# Altium PCB nova34.PcbDoc (part 4 of 4)
Units mm, origin at the board's own origin, x right, y up, seen from the top; angles counter-clockwise.
Board outline 34.12 x 31.07 mm, 8 copper layers (Top Layer, Int1 (Sign), Int2 (GND), Int3 (Sign), Int4 (Sign), Int5 (PWR), Int6 (Sign), Bottom Layer), stack 1.535 mm thick; 261 components, 284 nets, 1188 pads, 341 vias.
Unrouted connection lines stored in the file: 171.
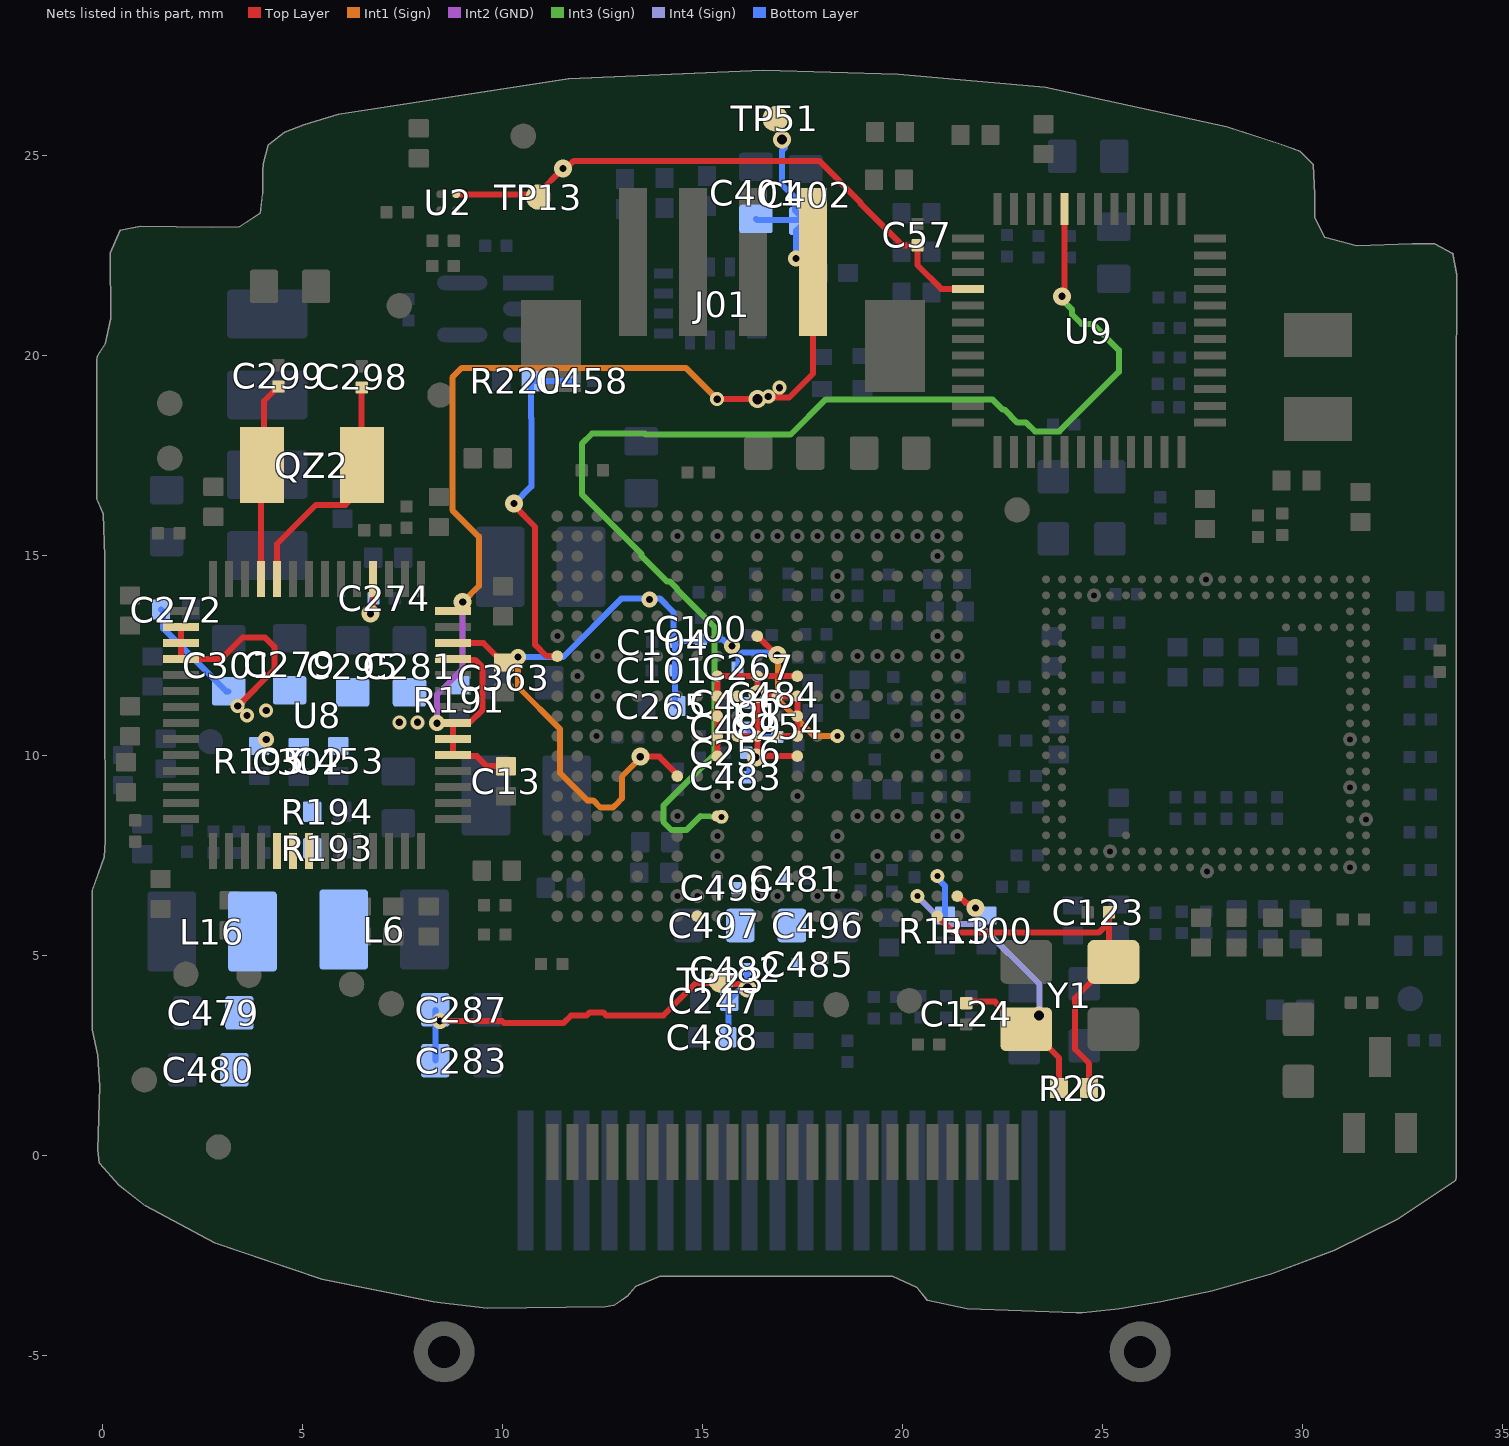
[diagram p10: the nets of this part, all layers, seen from the top]

## Via types
v1: diameter 0.45, hole 0.18, Top Layer to Bottom Layer, tented both sides, 190 vias
v2: diameter 0.4, hole 0.18, Top Layer to Bottom Layer, tented both sides, 79 vias
v3: diameter 0.45, hole 0.254, Top Layer to Bottom Layer, tented both sides, 62 vias
v4: diameter 0.35, hole 0.18, Top Layer to Bottom Layer, tented both sides, 8 vias
v5: diameter 0.35, hole 0.15, Top Layer to Bottom Layer, tented both sides, 2 vias

## Nets (pads, with @x,y where several pads share a name; then routed paths per layer and width w, separated by ;. In a path a pad name is that pad's centre, name@x,y a point inside that pad or via, vN(x,y) a via of type N, cw(c..) or ccw(c..) an arc to the next point about the centre after c; other vN are vias at no path point) (continued)
VDD_SOC_0V9: C247.1 C254.1 C256.1 C283.1 C287.1 C479.1 C480.1 C481.1 C482.1 C483.1 C484.1 C485.1 C486.1 C488.1 C489.1 C490.1 C496.1 C497.1 L6.2 L16.2 R193.1 R194.2 TP23.1 U1.J9 U1.J10 U1.J11 U1.J12 U1.J13 U1.K10 U1.K12 U1.L9 U1.L10 U1.L12 U1.L13 U1.M10 U1.M12 U1.N9 U1.N10 U1.N11 U1.N12 U1.N13 | length 23.3
  Top Layer w0.15: v2(8.433,3.353) 9.981,3.353 10.036,3.297 11.517,3.297 11.71,3.491 12.102,3.491 12.179,3.568 12.512,3.568 12.589,3.491 14.015,3.491 14.832,4.308 15.408,4.308 TP23.1@15.469,4.369 15.561,4.276 15.927,4.276 16.037,4.166 v3(16.118,4.166) ; U1.N13@15.367,9.974 U1.N12@15.367,10.474 U1.N11@15.367,10.974 U1.N10@15.367,11.474 ; U1.M12@15.867,10.474 U1.L12@16.367,10.474 ; U1.M10@15.867,11.474 U1.N10@15.367,11.474 ; v1(16.329,9.944) 16.337,9.944 U1.L13@16.367,9.974 ; U1.L10@16.367,11.523 v1(16.37,11.523) ; 16.694,9.992 16.685,9.983 16.376,9.983 U1.L13@16.367,9.974 ; 16.717,9.974 U1.J13@17.367,9.974 ; U1.K12@16.867,10.474 U1.J12@17.367,10.474 U1.J11@17.367,10.974 U1.J10@17.367,11.474 U1.K10@16.867,11.474 U1.L10@16.367,11.474 ; U1.J9@17.367,11.974 U1.L9@16.367,11.974 ; U1.N10@15.367,11.474 U1.N9@15.367,11.974 U1.L9@16.367,11.974 ; U1.L13@16.367,9.974 U1.L12@16.367,10.474 ; U1.L12@16.367,10.474 16.367,11.395 U1.L10@16.367,11.474 ; U1.L10@16.367,11.474 U1.L9@16.367,11.974
  Bottom Layer w0.15: C283.1@8.316,2.362 C287.1@8.316,3.632 ; C488.1@15.615,2.946 15.64,2.972 15.64,3.835 C247.1@15.666,3.861 15.666,3.886 15.888,4.108 ; C482.1@16.091,4.648 16.105,4.635 16.105,4.18 v3(16.118,4.166) ; C483.1@16.091,9.449 16.169,9.526 16.169,9.703 16.329,9.863 v1(16.329,9.944) ; C489.1@16.091,10.693 16.333,10.452 C254.1@16.866,10.452
VDDA_1V8: C100.1 C101.1 C104.1 C265.1 C267.1 C363.1 pad.42 U1.G12 U1.L7 U1.R14 U8.54 | length 22.7
  Top Layer w0.15: U8.54@8.759,12.798 9.522,12.798 10.008,12.313 C363.1@10.033,12.313 ; v1(13.441,9.96) 13.919,9.96 14.367,9.512 U1.R14@14.367,9.474 ; U1.L7@16.367,12.974 16.381,12.974 16.852,12.503 v1(16.866,12.503)
  Int1 (Sign) w0.15: v2(10.384,12.449) 10.384,11.702 11.438,10.648 11.438,9.55 12.117,8.871 12.262,8.871 12.445,8.688 12.757,8.688 12.907,8.838 12.907,8.844 12.977,8.914 12.977,9.465 13.441,9.929 v1(13.441,9.96) ; v1(16.866,12.503) 16.887,12.481 16.887,11.378 17.791,10.474 pad.42@18.367,10.474
  Bottom Layer w0.15: v2(10.384,12.449) 11.509,12.449 12.977,13.917 13.647,13.917 v2@13.683,13.881 ; v2@13.735,13.917 13.924,13.917 14.271,13.57 C104.1@14.271,12.827 ; C265.1@14.345,11.227 14.308,11.264 14.308,12.116 14.308,12.79 C104.1@14.271,12.827 ; v2(15.737,12.724) 15.669,12.724 15.503,12.89 C100.1@14.961,12.89 14.929,12.859 14.303,12.859 C104.1@14.271,12.827 ; C267.1@15.874,12.192 15.898,12.215 15.898,12.465 16.001,12.568 16.614,12.568 16.645,12.537 16.832,12.537 v1(16.866,12.503)
  other v2: 13.674,13.89
VINT: C274.2 U8.4 | length 1.3
  Top Layer w0.15: v1(6.698,13.536) 6.698,13.617 6.759,13.679 U8.4@6.759,14.398
  Bottom Layer w0.15: v1(6.698,13.536) 6.734,13.572 6.734,13.884 C274.2@6.769,13.919
VSYS_5V: C13.1 C272.1 C279.1 C281.1 C295.1 C301.1 C302.1 C401.2 C402.2 C453.1 J01.1 R191.2 R195.2 TP51.1 U8.16 U8.17 U8.18 U8.33 U8.34 U8.35 U8.47 U8.48 U8.49 U8.53 U8.56 | length 40.7
  Top Layer w0.15: U8.16@1.959,13.198 U8.17@1.959,12.798 U8.18@1.959,12.398 2.954,12.398 3.501,12.944 4.056,12.944 4.291,12.709 4.291,12.14 v4(3.376,11.225) ; U8.53@8.759,12.398 8.777,12.381 9.311,12.381 9.5,12.192 9.5,11.139 9.184,10.823 8.784,10.823 U8.49@8.759,10.798 U8.48@8.759,10.398 U8.47@8.759,9.998 8.784,9.973 9.354,9.973 9.605,9.722 C13.1@10.084,9.722 ; U8.56@8.759,13.598 8.977,13.598 9.002,13.623 v1(9.002,13.825) ; v4(15.363,18.898) v3(16.368,18.898) ; v3@16.368,18.933 16.607,18.933 v4(16.642,18.969) ; v4@16.7,18.936 16.919,18.936 ; v4(16.919,19.185) 16.919,18.936 ; v2(17.336,22.412) 17.52,22.412 J01.1@17.757,22.174 ; J01.1@17.757,22.327 J01.1@17.757,22.174 ; 16.919,18.936 17.158,18.936 17.757,19.535 J01.1@17.757,22.174
  Int2 (GND) w0.15: v2(8.36,10.797) 8.36,11.516 9.002,12.157 v1(9.002,13.825)
  Int1 (Sign) w0.15: v1(9.002,13.825) 9.403,14.227 9.403,15.463 8.742,16.124 8.742,19.445 8.978,19.68 14.58,19.68 v4(15.363,18.898)
  Bottom Layer w0.15: C272.1@1.46,13.64 1.512,13.588 1.512,13.167 3.086,11.593 C301.1@3.15,11.593 ; C401.2@16.332,23.404 16.358,23.378 C402.2@17.551,23.378 ; v3(16.982,25.387) 17.039,25.329 17.039,25.205 17.056,25.188 16.981,25.113 16.981,24.266 17.304,23.943 17.304,23.626 C402.2@17.551,23.378 ; v2(17.336,22.412) 17.336,23.112 C402.2@17.577,23.353 C402.2@17.551,23.378
  other v2: 4.089,10.389
  other v4: 7.417,10.82 7.874,10.82 3.607,10.987 4.089,11.114
WDOG_B: C458.1 R220.1 U1.AA8 | length 8.7
  Top Layer w0.15: v1(10.287,16.288) 10.287,16.231 10.814,15.704 10.814,12.758 11.097,12.474 U1.AA8@11.367,12.474
  Bottom Layer w0.15: v1(10.287,16.288) 10.719,16.72 10.719,18.417 10.713,18.423 R220.1@10.713,19.355 C458.1@11.722,19.355
WIFI_1V8: C57.1 TP13.1 U2.A2 U9.28 | length 14.8
  Top Layer w0.15: U2.A2@8.839,24.022 8.849,24.012 TP13.1@10.836,24.012 ; TP13.1@10.897,23.952 10.897,24.054 v1(11.506,24.663) 11.587,24.663 11.779,24.855 17.911,24.855 18.952,23.813 18.952,23.787 19.993,22.745 C57.1@20.371,22.745 20.371,22.25 20.964,21.657 U9.28@21.634,21.657
WL_WAKE_DEV: U1.P21
WL_WAKE_HOST: pad.46 U1.N16 U9.20 | length 32.9
  Top Layer w0.15: v1@23.927,21.412 v1(23.985,21.47) 24.042,21.528 U9.20@24.042,23.647
  Int3 (Sign) w0.15: pad.46@15.469,8.458 14.943,8.474 14.591,8.123 14.221,8.123 14.015,8.329 14.015,8.735 15.298,10.017 15.298,13.201 14.357,14.142 14.357,14.167 14.178,14.346 14.107,14.346 13.477,14.976 13.477,15.022 11.982,16.517 11.982,17.782 12.235,18.035 13.553,18.035 13.572,18.015 17.202,18.015 18.082,18.895 22.243,18.895 22.495,18.644 22.538,18.644 22.869,18.312 23.09,18.312 23.31,18.092 23.915,18.092 25.406,19.583 25.406,20.124 24.75,20.78 24.472,20.78 24.236,21.015 24.236,21.137 23.985,21.389 v1(23.985,21.47)
XIN_32K: C298.1 QZ2.2 U8.10 | length 6.1
  Top Layer w0.15: U8.10@4.359,14.398 4.359,15.281 5.334,16.256 6.07,16.256 6.533,16.72 6.533,17.12 6.477,17.176 C298.1@6.477,19.189
XOUT_32K: C299.1 QZ2.1 U8.11 | length 5
  Top Layer w0.15: U8.11@3.959,14.398 3.959,17.046 4.033,17.12 4.033,18.854 C299.1@4.394,19.215
XTALI_24M: C123.1 R26.1 U1.B21 Y1.3 | length 9.6
  Top Layer w0.15: U1.B21@20.867,5.974 21.279,5.563 24.901,5.563 25.136,5.798 ; R26.1@24.657,1.676 24.657,2.292 24.308,2.642 24.308,3.932 25.204,4.828 Y1.3@25.271,4.828 25.159,4.94 25.159,5.798 C123.1@25.159,6.071
XTALI_32K: R100.2 U1.A20 | length 0.6
  Top Layer w0.15: U1.A20@21.367,6.474 21.405,6.474 21.573,6.306 21.612,6.306 21.742,6.176 v1(21.824,6.176)
XTALO_24M: C124.1 pad.9 R26.2 U1.C20 Y1.1 | length 8.2
  Top Layer w0.15: 21.76,3.835 22.303,3.835 22.991,3.148 Y1.1@23.091,3.148 23.191,3.148 23.907,2.431 R26.2@23.907,1.676
  Int4 (Sign) w0.15: pad.9@20.367,6.474 21.067,5.774 21.914,5.774 23.424,4.264 23.424,3.505 v3(23.408,3.489)
XTALO_32K: pad.21 R113.2 U1.B19 | length 1.1
  Bottom Layer w0.15: pad.21@20.867,6.974 20.867,6.92 21.057,6.73 R113.2@21.057,5.988
pads on no net: J1.1 J01.3 J01.4 J1.6 J1.7 J1.8 J1.9 J1.17 J1.19 J1.21 J01.S1 J01.S2 K1.15 K1.16 K1.20 SPK.1 U1.N5 U1.P2 U1.R4 U1.R5 U1.T1 U1.T2 U3.A1 U3.A17 U3.A19 U3.AA1 U3.AA10 U3.AA11 U3.AA14 U3.AA19 U3.D1 U3.D2 U3.D18 U3.D19 U3.E1 U3.E2 U3.E18 U3.E19 U3.F18 U3.F19 U3.G18 U3.G19 U3.T U4.2 U4.3 U4.4 U4.9 U4.10 U4.11 U9.4 U9.11 U9.15 U9.16 U9.17 U9.36 U9.43 U9.45 U9.46 U9.47
copper on no net:
  other v2: 5.639,21.336

## Polygon pours and split planes (outlines as drawn)
VDD_1V8 on Int2 (GND) "VDD_1V8_L03_P045" (solid, remove dead copper, pour order 45): -3.886,28.499 -3.632,28.245 35.408,28.245 35.408,0.127 31.877,-3.404 -3.759,-3.404
VSYS_5V on Int2 (GND) "VSYS_5V_L03_P000" (solid, pour order 0): 18.212,19.279 9.474,10.541 2.692,10.541 2.692,12.09 3.607,13.005 8.255,13.005 8.255,13.106 14.427,19.279
GND on Top Layer "GND_L01_P047" (solid, remove dead copper, pour order 47): -3.886,28.499 -3.632,28.245 35.408,28.245 35.408,0.127 31.877,-3.404 -3.759,-3.404
VDD_ARM on Top Layer "VDD_ARM_L01_P043" (solid, remove dead copper, pour order 43): 28.68,15.79 28.689,15.799 29.997,15.799 29.997,16.459 29.845,16.612 29.743,16.51 28.677,16.51
VDD_3V3 on Top Layer "VDD_3V3_L01_P042" (solid, pour order 42): 2.438,10.693 2.438,11.303 2.413,11.328 1.422,11.328 1.092,11.659 1.092,12.395 0.279,12.395 0.203,12.471 0.178,12.446 0.178,11.989 0.533,11.989 0.962,11.561 0.962,10.875 1.143,10.693
VSYS_5V on Top Layer "VSYS_5V_L01_P041" (solid, pour order 41): 17.424,23.216 17.399,23.241 17.399,24.765 16.256,25.908 16.256,26.568 17.043,26.568 18.263,25.349 18.263,23.216
VSYS_5V on Top Layer "VSYS_5V_L01_P007" (solid, remove dead copper, pour order 7): 9.83,9.493 10.338,9.493 10.338,10.338 9.677,10.998 8.636,10.998 8.357,10.719 8.357,9.881 9.779,9.881 9.83,9.83
VSYS_5V on Top Layer "VSYS_5V_L01_P003" (solid, pour order 3): 1.473,13.259 3.175,13.259 4.191,12.243 4.191,10.566 2.692,10.566 2.743,10.617 2.743,12.167 1.676,12.167 1.473,12.37
VSYS_5V on Top Layer "VSYS_5V_L01_P004" (solid, pour order 4): 4.267,7.137 5.258,7.137 5.258,11.176 4.191,12.243 2.743,12.243 2.743,10.587 2.764,10.566 4.191,10.566
VSYS_5V on Top Layer "VSYS_5V_L01_P002" (solid, remove dead copper, pour order 2): 8.077,10.998 9.271,10.998 9.296,11.024 9.322,10.998 9.322,9.881 8.026,9.881 7.112,10.795 7.112,11.024
VSYS_5V on Top Layer "VSYS_5V_L01_P001" (solid, pour order 1): 17.374,24.181 18.288,24.181 18.288,19.355 17.17,18.237 14.91,18.237 14.91,18.999 15.189,19.279 17.399,19.279
GND on Bottom Layer "GND_L08_P044" (solid, remove dead copper, pour order 44): -3.886,28.499 -3.632,28.245 35.408,28.245 35.408,0.127 31.877,-3.404 -3.759,-3.404
NVCC_SNVS_1V8 on Bottom Layer "NVCC_SNVS_1V8_L08_P040" (solid, remove dead copper, pour order 40): 19.638,3.616 21.908,3.616 21.971,3.553 21.971,3.175 19.66,3.175 19.634,3.2
VDD_3V3 on Bottom Layer "VDD_3V3_L08_P039" (solid, remove dead copper, pour order 39): 3.204,7.807 4.346,7.807 4.346,7.445 4.14,7.239 3.2,7.239
VDD_1V8 on Bottom Layer "VDD_1V8_L08_P038" (solid, remove dead copper, pour order 38): 1.908,7.782 3.051,7.782 3.051,7.42 2.845,7.214 1.905,7.214
VDD_3V3 on Bottom Layer "VDD_3V3_L08_P037" (solid, remove dead copper, pour order 37): 13.767,20.777 14.275,20.777 14.275,20.091 14.427,19.939 17.983,19.939 17.983,19.66 13.767,19.66
VDD_3V3 on Bottom Layer "VDD_3V3_L08_P036" (solid, pour order 36): 18.364,22.301 19.152,22.301 19.152,20.371 19.355,20.168 19.355,19.926 18.377,19.926 18.364,19.939
VDD_1V8 on Bottom Layer "VDD_1V8_L08_P035" (solid, remove dead copper, pour order 35): 13.818,8.484 13.818,6.452 14.712,6.452 14.834,6.655 14.834,6.706 14.834,8.484
VDD_3V3 on Bottom Layer "VDD_3V3_L08_P034" (solid, remove dead copper, pour order 34): 15.545,20.625 15.875,20.625 15.875,20.168 19.329,20.168 19.355,20.193 19.355,19.66 15.646,19.66 15.545,19.761
NVCC_DRAM_1V35 on Bottom Layer "NVCC_DRAM_1V35_L08_P033" (solid, pour order 33): 11.379,13.513 11.379,16.231 12.217,17.069 15.138,17.069 16.029,16.178 16.029,13.517 15.999,13.487 15.807,13.68 15.113,13.68 15.113,15.545 13.437,15.545 12.675,14.783 12.675,13.513
NVCC_DRAM on Bottom Layer "NVCC_DRAM_L08_P032" (solid, pour order 32): 24.232,14.326 24.333,14.427 25.095,14.427 25.095,11.018 24.923,10.846 24.206,10.846
NVCC_DRAM_1V35 on Bottom Layer "NVCC_DRAM_1V35_L08_P031" (solid, pour order 31): 15.231,14.271 20.317,14.271 20.472,14.427 20.472,14.834 21.082,14.834 21.184,14.732 21.184,13.335 18.003,13.335 17.831,13.163 17.831,12.83 16.552,12.83 16.526,12.805 16.383,12.948 16.383,13.487 15.615,13.487 15.231,13.872
VDD_3V3 on Bottom Layer "VDD_3V3_L08_P030" (solid, pour order 30): 17.653,11.652 19.177,11.652 19.256,11.573 21.358,11.573 21.514,11.729 21.514,12.217 21.336,12.395 17.653,12.395
VDD_SOC_0V9 on Bottom Layer "VDD_SOC_0V9_L08_P029" (solid, pour order 29): 15.596,3.912 17.599,3.912 17.599,6.378 17.154,6.823 17.154,7.293 17.202,7.341 17.202,7.849 16.055,7.849 15.891,7.685 15.891,6.519 15.545,6.172 15.545,5.06 15.596,5.01
SWOUT_3V3 on Bottom Layer "SWOUT_3V3_L08_P020" (solid, remove dead copper, pour order 20): 3.277,10.223 2.45,11.049 1.249,11.049 1.243,10.131 2.365,10.131 2.642,9.855 3.277,9.855
VDD_SOC_0V9 on Bottom Layer "VDD_SOC_0V9_L08_P026" (solid, pour order 26): 8.814,1.702 8.814,4.216 7.417,4.216 6.731,4.902 6.731,6.782 6.102,6.782 5.467,7.417 5.467,8.839 4.801,8.839 4.699,8.738 4.699,7.319 4.289,6.909 3.15,6.909 2.819,6.553 2.819,6.426 2.819,1.651
VDD_3V3 on Bottom Layer "VDD_3V3_L08_P025" (solid, remove dead copper, pour order 25): 12.7,24.13 15.418,24.13 15.418,24.994 15.316,25.095 12.725,25.095 12.675,25.044
VSYS_5V on Bottom Layer "VSYS_5V_L08_P024" (solid, pour order 24): 15.85,23.876 18.72,23.876 18.72,22.885 18.593,22.758 15.957,22.758 15.87,22.846
VDD_3V3 on Bottom Layer "VDD_3V3_L08_P023" (solid, remove dead copper, pour order 23): 1.194,15.748 5.182,15.748 5.182,14.097 2.946,14.097 2.286,14.757 1.194,14.757
VDD_3V3 on Bottom Layer "VDD_3V3_L08_P022" (solid, remove dead copper, pour order 22): 22.406,22.8 27.372,22.8 27.686,23.114 27.686,25.502 27.559,25.629 24.968,25.629 24.79,25.451 24.79,24.359 23.8,23.368 22.403,23.368
NVCC_DRAM on Bottom Layer "NVCC_DRAM_L08_P021" (solid, remove dead copper, pour order 21): 26.728,21.641 26.712,21.625 26.712,18.495 27.181,18.495 27.661,18.974 27.661,21.641
VSYS_5V on Bottom Layer "VSYS_5V_L08_P019" (solid, remove dead copper, pour order 19): 2.718,12.04 9.169,12.04 9.373,11.836 9.373,11.582 9.169,11.379 8.407,11.379 8.153,11.125 8.153,10.592 7.563,10.001 3.639,10.001 2.718,10.922 2.718,11.506
VDDA_1V8 on Bottom Layer "VDDA_1V8_L08_P018" (solid, remove dead copper, pour order 18): 14.116,10.973 14.116,12.982 14.072,13.027 14.135,13.09 15.376,13.09 16.074,12.392 16.074,11.992 15.929,11.992 15.672,11.735 15.164,11.735 14.808,11.379 14.808,10.973
VDD_SOC_0V9 on Bottom Layer "VDD_SOC_0V9_L08_P017" (solid, remove dead copper, pour order 17): 15.757,4.423 15.757,11.503 16.38,11.503 16.383,11.506 16.383,4.419
VDD_1V8 on Bottom Layer "VDD_1V8_L08_P014" (solid, pour order 14): 24.511,7.632 24.003,7.632 24.003,7.544 23.622,7.163 23.622,6.731 23.419,6.528 22.821,6.528 22.682,6.667 22.377,6.972 22.377,7.061 22.225,7.061 22.073,6.909 22.073,6.604 22.403,6.274 23.853,6.274 24.113,6.013 24.511,6.013
VDD_1V8 on Bottom Layer "VDD_1V8_L08_P013" (solid, remove dead copper, pour order 13): 22.751,6.709 22.751,11.935 22.672,12.014 22.073,12.014 22.073,6.909 22.276,6.706
VDD_1V8 on Bottom Layer "VDD_1V8_L08_P012" (solid, pour order 12): 30.18,5.918 30.147,5.886 25.807,5.886 25.654,6.039 25.629,6.013 24.003,6.013 24.003,7.632 24.092,7.721 25.756,7.721 26.289,7.188 26.289,6.604 26.467,6.426 30.175,6.426
VDD_ARM on Bottom Layer "VDD_ARM_L08_P011" (solid, remove dead copper, pour order 11): 29.54,7.645 30.505,7.645 30.505,13.513 30.226,13.792 29.515,13.792 29.464,13.792 29.413,13.741 29.413,13.538 29.799,12.615 30.099,12.553 30.099,8.527 29.54,8.527
VDD_ARM on Bottom Layer "VDD_ARM_L08_P010" (solid, pour order 10): 26.623,8.611 29.566,8.611 29.743,8.433 29.743,7.645 26.721,7.645 26.619,7.747
VDD_ARM on Bottom Layer "VDD_ARM_L08_P009" (solid, remove dead copper, pour order 9): 26.619,12.465 26.645,12.49 29.87,12.49 29.87,13.614 29.896,13.64 29.743,13.792 26.619,13.792
VDD_3V3 on Bottom Layer "VDD_3V3_L08_P008" (solid, pour order 8): 31.521,3.277 33.223,3.277 33.223,4.14 32.741,4.623 32.741,5.86 32.87,5.989 32.87,14.021 32.668,14.224 31.521,14.224
GND on Int5 (PWR) "GND_L06_P051" (solid, remove dead copper, pour order 51): -2.616,29.159 36.093,29.159 36.449,28.804 36.373,28.727 36.373,-2.718 -0.914,-2.718 -2.438,-1.194
GND on Int6 (Sign) "GND_L07_P050" (solid, remove dead copper, pour order 50): -2.845,28.753 -1.905,29.693 36.068,29.693 36.068,-3.912 35.89,-4.089 35.433,-3.632 -1.321,-3.632
VDD_3V3 on Int3 (Sign) "VDD_3V3_L04_P046" (solid, remove dead copper, pour order 46): -3.886,28.499 -3.632,28.245 35.408,28.245 35.408,0.127 31.877,-3.404 -3.759,-3.404
VDD_3V3 on Int4 (Sign) "VDD_3V3_L05_P048" (solid, remove dead copper, pour order 48): -3.378,28.905 -3.2,28.727 36.119,28.727 36.119,-0.991 33.35,-3.759 33.274,-3.683 -3.48,-3.683
VDD_1V8 on Int1 (Sign) "VDD_1V8_L02_P049" (solid, remove dead copper, pour order 49): -4.623,31.039 29.82,31.039 35.763,25.095 34.798,24.13 34.798,-3.734 -2.489,-3.734 -3.226,-2.997

## Keep-outs
Keep-Out Layer:
  lines w0.254: 2.745,23.327 2.746,23.327 ; 2.747,23.327 2.746,23.327 ; 30.425,24.004 ccw(c30.298,24.004) 30.425,24.005 ; -0.393,3.137 ccw(c-0.266,3.137) -0.39,3.109 ; -0.393,3.137 ccw(c-0.266,3.137) -0.39,3.109 ; -0.393,3.137 -0.393,6.605 ; -0.393,6.605 cw(c-0.266,6.605) -0.385,6.648 ; -0.393,6.605 cw(c-0.266,6.605) -0.385,6.648 ; -0.39,3.109 -0.247,2.481 -0.198,1.714 -0.244,0.14 ; -0.385,6.648 -0.087,7.474 -0.067,7.866 -0.078,11.905 ; -0.269,16.394 ccw(c-0.142,16.394) -0.259,16.344 -0.258,16.343 ; -0.269,16.394 ccw(c-0.142,16.394) -0.258,16.343 ; -0.269,16.394 -0.269,19.88 ; -0.269,19.88 cw(c-0.142,19.88) -0.268,19.891 ; -0.269,19.88 cw(c-0.142,19.88) -0.268,19.891 ; -0.268,19.891 -0.261,19.972 ; -0.268,19.891 -0.268,19.891 ; -0.261,19.972 cw(c-0.135,19.961) -0.246,20.023 ; -0.261,19.972 cw(c-0.135,19.961) -0.246,20.023 -0.246,20.023 ; -0.261,19.972 -0.261,19.972 ; -0.258,16.343 -0.112,16.001 -0.077,14.957 -0.078,11.905 ; -0.246,20.023 -0.189,20.125 ; -0.243,0.123 cw(c-0.117,0.136) -0.244,0.14 ; -0.243,0.123 cw(c-0.117,0.136) -0.244,0.14 ; -0.243,0.123 -0.208,-0.217 ; -0.208,-0.217 ccw(c-0.082,-0.204) -0.176,-0.289 ; -0.208,-0.217 ccw(c-0.082,-0.204) -0.176,-0.289 -0.176,-0.289 ; -0.189,20.126 cw(c-0.078,20.064) -0.184,20.135 ; -0.189,20.125 cw(c-0.078,20.064) -0.184,20.135 -0.183,20.135 ; -0.189,20.125 -0.189,20.126 ; -0.183,20.135 -0.049,20.337 0.075,20.927 0.061,22.553 ; -0.176,-0.289 0.316,-0.838 ; -0.078,11.905 ccw(c0.05,11.905) -0.078,11.905 ; -0.078,11.905 ccw(c0.05,11.905) -0.078,11.905 ; 0.061,22.554 cw(c0.188,22.555) 0.072,22.606 ; 0.061,22.553 cw(c0.188,22.555) 0.071,22.606 ; 0.061,22.553 0.061,22.554 ; 0.072,22.606 0.323,23.176 ; 0.071,22.606 0.072,22.606 ; 0.316,-0.838 ccw(c0.411,-0.753) 0.333,-0.853 ; 0.316,-0.838 ccw(c0.411,-0.753) 0.333,-0.853 ; 0.316,-0.838 0.316,-0.838 ; 0.323,23.176 cw(c0.439,23.125) 0.416,23.25 ; 0.323,23.176 cw(c0.439,23.125) 0.416,23.25 ; 0.323,23.176 0.323,23.176 ; 0.333,-0.853 0.995,-1.37 ; 0.416,23.25 0.922,23.346 ; 0.922,23.346 cw(c0.946,23.221) 0.947,23.348 ; 0.922,23.346 cw(c0.946,23.221) 0.947,23.348 ; 0.947,23.348 2.746,23.327 ; 0.995,-1.37 ccw(c1.073,-1.27) 1.014,-1.382 ; 0.995,-1.37 ccw(c1.073,-1.27) 1.014,-1.382 ; 1.014,-1.382 2.732,-2.3 ; 1.445,20.67 ccw(c1.321,20.694) 1.448,20.694 ; 1.445,20.67 cw(c1.321,20.646) 1.448,20.646 ; 1.445,20.67 cw(c1.321,20.646) 1.448,20.646 ; 1.445,20.67 ccw(c1.321,20.694) 1.448,20.694 ; 1.448,20.646 1.448,20.623 1.468,20.52 1.509,20.423 1.567,20.336 1.582,20.321 ; 1.448,20.694 1.448,20.728 1.468,20.831 1.509,20.928 1.567,21.016 1.589,21.038 ; 1.582,20.321 cw(c1.492,20.231) 1.604,20.291 ; 1.582,20.321 1.582,20.321 cw(c1.492,20.231) 1.604,20.291 ; 1.59,21.039 ccw(c1.5,21.128) 1.602,21.052 ; 1.589,21.038 ccw(c1.5,21.128) 1.602,21.052 ; 1.589,21.038 1.59,21.039 ; 1.602,21.052 ccw(c1.525,21.153) 1.615,21.064 ; 1.602,21.052 ccw(c1.525,21.153) 1.615,21.064 1.615,21.064 ; 1.604,20.291 cw(c1.544,20.178) 1.635,20.268 ; 1.604,20.291 cw(c1.544,20.178) 1.634,20.268 ; 1.615,21.064 1.641,21.09 1.729,21.148 1.826,21.188 1.929,21.209 1.963,21.209 ; 1.634,20.268 1.635,20.268 ; 1.635,20.268 1.641,20.261 1.729,20.203 1.826,20.163 1.929,20.142 1.936,20.142 ; 1.936,20.142 cw(c1.936,20.015) 1.98,20.134 ; 1.936,20.142 cw(c1.936,20.015) 1.98,20.134 ; 1.963,21.209 ccw(c1.963,21.336) 1.98,21.21 ; 1.963,21.209 ccw(c1.963,21.336) 1.98,21.21 ; 1.98,20.134 cw(c2.024,20.015) 2.024,20.142 ; 1.98,20.134 cw(c2.024,20.015) 2.024,20.142 ; 1.98,21.21 ccw(c1.997,21.336) 1.997,21.209 ; 1.98,21.21 ccw(c1.997,21.336) 1.997,21.209 ; 1.997,21.209 2.034,21.209 2.137,21.188 2.234,21.148 2.321,21.09 2.348,21.063 ; 2.024,20.142 2.034,20.142 2.137,20.163 2.234,20.203 2.321,20.261 2.329,20.269 ; 2.329,20.27 cw(c2.419,20.18) 2.357,20.29 ; 2.329,20.269 cw(c2.419,20.18) 2.357,20.29 ; 2.329,20.269 2.329,20.27 ; 2.348,21.063 ccw(c2.439,21.152) 2.36,21.053 ; 2.348,21.063 2.349,21.062 ccw(c2.439,21.152) 2.36,21.053 ; 2.357,20.29 cw(c2.467,20.228) 2.378,20.318 ; 2.357,20.29 cw(c2.467,20.228) 2.377,20.318 ; 2.36,21.053 ccw(c2.459,21.131) 2.37,21.041 ; 2.36,21.053 ccw(c2.459,21.131) 2.369,21.042 ; 2.369,21.042 2.37,21.041 ; 2.37,21.041 2.395,21.016 2.454,20.928 2.494,20.831 2.515,20.728 2.515,20.69 ; 2.378,20.318 2.395,20.336 2.454,20.423 2.494,20.52 2.515,20.623 2.515,20.65 ; 2.377,20.318 2.378,20.318 ; 2.515,20.65 cw(c2.642,20.65) 2.516,20.67 ; 2.515,20.65 cw(c2.642,20.65) 2.516,20.67 ; 2.515,20.69 ccw(c2.642,20.69) 2.516,20.67 ; 2.515,20.69 ccw(c2.642,20.69) 2.516,20.67 ; 2.732,-2.3 ccw(c2.792,-2.188) 2.751,-2.308 ; 2.732,-2.3 ccw(c2.792,-2.188) 2.75,-2.308 ; 2.746,23.327 3.372,23.331 3.817,23.618 3.869,24.047 3.869,24.595 ; 2.751,-2.308 5.44,-3.229 ; 2.75,-2.308 2.751,-2.308 ; 3.869,24.595 cw(c3.996,24.595) 3.87,24.605 ; 3.869,24.595 cw(c3.996,24.595) 3.87,24.605 ; 3.87,24.605 3.884,24.792 ; 3.87,24.605 3.87,24.605 ; 3.884,24.793 cw(c4.01,24.783) 3.888,24.818 ; 3.884,24.792 cw(c4.01,24.783) 3.888,24.818 ; 3.884,24.792 3.884,24.793 ; 3.888,24.818 4.023,25.293 ; 4.023,25.293 cw(c4.145,25.258) 4.067,25.358 ; 4.023,25.293 cw(c4.145,25.258) 4.067,25.358 ; 4.067,25.358 cw(c4.145,25.258) 4.067,25.358 ; 4.067,25.358 4.067,25.358 ; 4.067,25.358 4.47,25.67 ; 4.067,25.358 4.067,25.358 ; 4.471,25.671 cw(c4.548,25.57) 4.503,25.689 ; 4.471,25.671 ccw(c4.548,25.57) 4.47,25.67 ; 4.471,25.671 cw(c4.548,25.57) 4.503,25.689 ; 4.471,25.671 4.471,25.671 ; 4.47,25.67 4.471,25.671 ; 4.503,25.689 cw(c4.548,25.57) 4.503,25.689 ; 4.503,25.689 4.503,25.689 ; 4.503,25.689 4.503,25.689 ; 4.503,25.689 4.988,25.876 ; 4.989,25.876 cw(c5.034,25.757) 4.997,25.879 ; 4.989,25.876 ccw(c5.034,25.757) 4.988,25.876 ; 4.989,25.876 cw(c5.034,25.757) 4.997,25.879 ; 4.989,25.876 4.989,25.876 ; 4.988,25.876 4.989,25.876 ; 4.997,25.879 5.861,26.145 ; 5.44,-3.229 ccw(c5.481,-3.109) 5.457,-3.233 ; 5.44,-3.229 ccw(c5.481,-3.109) 5.457,-3.233 ; 5.44,-3.229 5.44,-3.229 ; 5.448,2.272 cw(c5.33,2.224) 5.457,2.224 ; 5.448,2.272 ccw(c5.33,2.32) 5.457,2.32 ; 5.448,2.272 cw(c5.33,2.224) 5.457,2.224 ; 5.448,2.272 ccw(c5.33,2.32) 5.457,2.32 ; 5.457,-3.233 8.247,-3.79 ; 5.457,2.224 5.457,2.215 5.478,2.112 5.518,2.015 5.576,1.928 5.582,1.922 ; 5.457,2.32 ccw(c5.33,2.32) 5.457,2.32 ; 5.457,2.32 ccw(c5.33,2.32) 5.457,2.32 ; 5.457,2.32 5.478,2.423 5.518,2.52 5.576,2.608 ; 5.576,2.608 ccw(c5.486,2.697) 5.604,2.649 ; 5.576,2.608 ccw(c5.486,2.697) 5.604,2.649 ; 5.582,1.922 cw(c5.492,1.832) 5.604,1.893 ; 5.582,1.922 5.582,1.922 cw(c5.492,1.832) 5.604,1.893 ; 5.604,2.649 ccw(c5.486,2.697) 5.604,2.65 ; 5.604,2.649 5.605,2.65 ; 5.604,1.893 cw(c5.543,1.781) 5.633,1.871 ; 5.604,1.893 cw(c5.543,1.781) 5.633,1.871 5.633,1.871 ; 5.604,2.65 ccw(c5.486,2.697) 5.604,2.65 ; 5.604,2.65 ccw(c5.557,2.768) 5.607,2.651 ; 5.604,2.65 ccw(c5.557,2.768) 5.604,2.65 ; 5.605,2.65 5.607,2.651 ; 5.604,2.65 5.605,2.65 ; 5.607,2.651 ccw(c5.557,2.768) 5.648,2.679 ; 5.607,2.651 ccw(c5.557,2.768) 5.647,2.678 ; 5.633,1.871 5.651,1.853 5.738,1.795 5.835,1.755 5.938,1.734 5.961,1.734 ; 5.648,2.679 5.651,2.682 5.738,2.74 5.835,2.78 5.938,2.801 ; 5.647,2.678 5.648,2.679 ; 5.861,26.145 cw(c5.899,26.023) 5.88,26.149 ; 5.861,26.145 cw(c5.899,26.023) 5.879,26.149 5.88,26.149 ; 5.88,26.149 11.627,27.032 ; 5.938,2.801 ccw(c5.938,2.928) 5.98,2.808 ; 5.938,2.801 ccw(c5.938,2.928) 5.98,2.808 ; 5.938,2.801 ccw(c5.938,2.928) 5.938,2.801 ; 5.938,2.801 5.938,2.801 ; 5.961,1.734 cw(c5.961,1.607) 5.98,1.733 ; 5.961,1.734 cw(c5.961,1.607) 5.98,1.733 ; 5.98,1.733 cw(c5.999,1.607) 5.999,1.734 ; 5.98,1.733 cw(c5.999,1.607) 5.999,1.734 ; 5.98,2.808 ccw(c6.022,2.928) 6.022,2.801 ; 5.98,2.808 ccw(c6.022,2.928) 6.022,2.801 ; 5.999,1.734 6.043,1.734 6.146,1.755 6.243,1.795 6.331,1.853 6.405,1.928 6.463,2.015 6.504,2.112 6.524,2.215 6.524,2.268 6.524,2.32 6.504,2.423 6.463,2.52 6.405,2.608 6.37,2.642 ; 6.022,2.801 6.043,2.801 6.146,2.78 6.243,2.74 6.331,2.682 6.347,2.666 ; 6.347,2.665 ccw(c6.437,2.755) 6.359,2.655 ; 6.347,2.666 ccw(c6.437,2.755) 6.359,2.655 ; 6.347,2.666 6.347,2.665 ; 6.359,2.655 ccw(c6.46,2.733) 6.37,2.642 ; 6.359,2.655 ccw(c6.46,2.733) 6.37,2.643 ; 6.37,2.643 6.37,2.642 ; 8.247,-3.79 ccw(c8.272,-3.665) 8.253,-3.791 8.253,-3.791 ; 8.247,-3.79 ccw(c8.272,-3.665) 8.253,-3.791 ; 8.253,-3.791 8.437,-3.819 ; 8.437,-3.819 ccw(c8.456,-3.694) 8.441,-3.82 ; 8.437,-3.819 ccw(c8.456,-3.694) 8.441,-3.82 ; 8.437,-3.819 8.437,-3.819 ; 8.441,-3.82 9.608,-3.959 ; 9.608,-3.959 ccw(c9.623,-3.833) 9.625,-3.96 ; 9.608,-3.959 ccw(c9.623,-3.833) 9.625,-3.96 ; 9.625,-3.96 12.564,-3.923 ; 9.625,-3.96 9.625,-3.96 ; 11.627,27.032 cw(c11.647,26.907) 11.641,27.034 ; 11.627,27.032 cw(c11.647,26.907) 11.641,27.034 ; 11.627,27.032 11.627,27.032 ; 11.641,27.034 16.511,27.254 ; 12.564,-3.923 ccw(c12.563,-3.796) 12.585,-3.921 ; 12.564,-3.923 ccw(c12.563,-3.796) 12.585,-3.921 ; 12.564,-3.923 12.564,-3.923 ; 12.585,-3.921 12.803,-3.883 ; 12.803,-3.883 ccw(c12.78,-3.758) 12.852,-3.863 ; 12.803,-3.883 ccw(c12.78,-3.758) 12.852,-3.863 12.852,-3.863 ; 12.852,-3.863 13.186,-3.636 ; 13.187,-3.636 ccw(c13.115,-3.531) 13.212,-3.613 ; 13.186,-3.636 ccw(c13.115,-3.531) 13.212,-3.613 ; 13.186,-3.636 13.187,-3.636 ; 13.212,-3.613 13.409,-3.382 13.962,-3.158 16.477,-3.158 19.723,-3.158 20.267,-3.404 20.517,-3.71 ; 16.511,27.254 cw(c16.517,27.127) 16.521,27.254 ; 16.511,27.254 cw(c16.517,27.127) 16.521,27.254 ; 16.521,27.254 19.896,27.143 ; 19.896,27.143 cw(c19.892,27.016) 19.903,27.143 ; 19.896,27.143 cw(c19.892,27.016) 19.903,27.143 ; 19.903,27.143 21.165,27.032 23.573,26.826 ; 20.517,-3.71 ccw(c20.615,-3.63) 20.588,-3.754 ; 20.517,-3.71 ccw(c20.615,-3.63) 20.588,-3.754 ; 20.517,-3.71 20.517,-3.71 ; 20.588,-3.754 21.588,-3.97 ; 21.588,-3.97 ccw(c21.614,-3.846) 21.61,-3.973 ; 21.588,-3.97 ccw(c21.614,-3.846) 21.61,-3.973 ; 21.61,-3.973 24.33,-4.069 ; 21.61,-3.973 21.61,-3.973 ; 23.574,26.826 cw(c23.563,26.7) 23.59,26.824 ; 23.574,26.826 ccw(c23.563,26.7) 23.573,26.826 ; 23.574,26.826 cw(c23.563,26.7) 23.59,26.824 ; 23.574,26.826 23.574,26.826 ; 23.573,26.826 23.574,26.826 ; 23.59,26.824 28.131,25.836 ; 23.59,26.824 23.59,26.824 ; 24.331,-4.069 ccw(c24.335,-3.942) 24.339,-4.069 ; 24.33,-4.069 ccw(c24.335,-3.942) 24.338,-4.069 ; 24.33,-4.069 24.331,-4.069 ; 24.339,-4.069 24.49,-4.065 ; 24.338,-4.069 24.339,-4.069 ; 24.49,-4.065 ccw(c24.488,-3.938) 24.499,-4.065 ; 24.49,-4.065 24.491,-4.065 ccw(c24.488,-3.938) 24.498,-4.065 ; 24.498,-4.065 ccw(c24.488,-3.938) 24.499,-4.065 ; 24.499,-4.065 24.743,-4.043 ; 24.499,-4.065 24.499,-4.065 ; 24.498,-4.065 24.499,-4.065 ; 24.743,-4.043 ccw(c24.732,-3.917) 24.747,-4.043 ; 24.743,-4.043 ccw(c24.732,-3.917) 24.743,-4.043 ; 24.743,-4.043 ccw(c24.732,-3.917) 24.747,-4.043 ; 24.743,-4.043 24.743,-4.043 ; 24.743,-4.043 24.743,-4.043 ; 24.747,-4.043 25.431,-3.961 ; 25.431,-3.961 ccw(c25.416,-3.835) 25.436,-3.961 25.437,-3.961 ; 25.431,-3.961 ccw(c25.416,-3.835) 25.437,-3.961 ; 25.437,-3.961 26.47,-3.794 ; 26.47,-3.794 ccw(c26.45,-3.669) 26.477,-3.793 ; 26.47,-3.794 26.47,-3.794 ccw(c26.45,-3.669) 26.477,-3.793 ; 26.477,-3.793 27.777,-3.513 ; 26.477,-3.793 26.477,-3.793 ; 27.546,1.968 cw(c27.428,1.92) 27.555,1.92 ; 27.546,1.968 ccw(c27.428,2.015) 27.555,2.015 ; 27.546,1.968 ccw(c27.428,2.015) 27.555,2.015 ; 27.546,1.968 cw(c27.428,1.92) 27.555,1.92 ; 27.555,1.92 27.555,1.91 27.576,1.807 27.616,1.71 27.674,1.623 27.68,1.617 ; 27.555,2.015 ccw(c27.428,2.015) 27.555,2.015 ; 27.555,2.015 ccw(c27.428,2.015) 27.555,2.015 ; 27.555,2.015 27.576,2.118 27.616,2.215 27.674,2.303 ; 27.674,2.303 ccw(c27.584,2.393) 27.702,2.344 ; 27.674,2.303 ccw(c27.584,2.393) 27.702,2.344 ; 27.68,1.617 cw(c27.59,1.527) 27.702,1.588 ; 27.68,1.617 27.68,1.617 cw(c27.59,1.527) 27.702,1.588 ; 27.702,2.344 ccw(c27.584,2.393) 27.702,2.345 ; 27.702,2.344 27.703,2.345 ; 27.702,1.588 cw(c27.641,1.477) 27.731,1.566 ; 27.702,1.588 cw(c27.641,1.477) 27.731,1.566 27.731,1.566 ; 27.702,2.345 ccw(c27.655,2.463) 27.705,2.346 ; 27.702,2.345 ccw(c27.655,2.463) 27.702,2.345 ; 27.702,2.345 ccw(c27.584,2.393) 27.702,2.345 ; 27.703,2.345 27.705,2.346 ; 27.702,2.345 27.703,2.345 ; 27.705,2.346 ccw(c27.655,2.463) 27.746,2.374 ; 27.705,2.346 ccw(c27.655,2.463) 27.745,2.374 ; 27.731,1.566 27.749,1.548 27.836,1.49 27.933,1.45 28.036,1.429 28.059,1.429 ; 27.746,2.374 27.749,2.377 27.836,2.435 27.933,2.476 28.036,2.496 ; 27.745,2.374 27.746,2.374 ; 27.777,-3.513 ccw(c27.75,-3.389) 27.785,-3.511 ; 27.777,-3.513 ccw(c27.75,-3.389) 27.785,-3.511 ; 27.777,-3.513 27.777,-3.513 ; 27.785,-3.511 ccw(c27.75,-3.389) 27.785,-3.511 ; 27.785,-3.511 29.262,-3.09 ; 27.785,-3.511 27.785,-3.511 ; 27.785,-3.511 27.785,-3.511 ; 27.827,-0.619 cw(c27.954,-0.619) 27.827,-0.615 ; 27.827,-0.619 cw(c27.954,-0.619) 27.827,-0.615 ; 27.827,-0.619 27.827,-0.696 27.793,-0.866 27.727,-1.025 27.631,-1.169 27.509,-1.291 27.365,-1.388 27.205,-1.454 27.036,-1.487 26.863,-1.487 26.693,-1.454 26.534,-1.388 26.39,-1.291 26.268,-1.169 26.171,-1.025 26.105,-0.866 26.072,-0.696 26.072,-0.61 26.072,-0.523 26.105,-0.354 26.171,-0.194 26.268,-0.05 26.39,0.072 26.534,0.168 26.693,0.234 26.863,0.268 27.036,0.268 27.205,0.234 27.365,0.168 27.509,0.072 27.631,-0.05 27.727,-0.194 27.793,-0.354 27.827,-0.523 27.827,-0.61 ; 27.827,-0.615 cw(c27.954,-0.611) 27.827,-0.611 ; 27.827,-0.615 cw(c27.954,-0.611) 27.827,-0.611 ; 27.827,-0.61 ccw(c27.954,-0.611) 27.827,-0.611 ; 27.827,-0.61 cw(c27.954,-0.611) 27.827,-0.61 ; 27.827,-0.61 ccw(c27.954,-0.61) 27.827,-0.611 ; 27.827,-0.61 cw(c27.954,-0.61) 27.827,-0.61 ; 27.827,-0.611 27.827,-0.61 ; 28.036,2.496 ccw(c28.036,2.623) 28.078,2.503 ; 28.036,2.496 ccw(c28.036,2.623) 28.036,2.496 ; 28.036,2.496 ccw(c28.036,2.623) 28.078,2.503 ; 28.036,2.496 28.036,2.496 ; 28.059,1.429 cw(c28.059,1.302) 28.078,1.428 ; 28.059,1.429 cw(c28.059,1.302) 28.078,1.428 ; 28.078,1.428 cw(c28.097,1.302) 28.097,1.429 ; 28.078,1.428 cw(c28.097,1.302) 28.097,1.429 ; 28.078,2.503 ccw(c28.12,2.623) 28.12,2.496 ; 28.078,2.503 ccw(c28.12,2.623) 28.12,2.496 ; 28.097,1.429 28.141,1.429 28.244,1.45 28.341,1.49 28.429,1.548 28.503,1.623 28.561,1.71 28.602,1.807 28.622,1.91 28.622,1.963 28.622,2.015 28.602,2.118 28.561,2.215 28.503,2.303 28.468,2.338 ; 28.12,2.496 28.141,2.496 28.244,2.476 28.341,2.435 28.429,2.377 28.445,2.361 ; 28.131,25.836 cw(c28.105,25.711) 28.144,25.832 ; 28.132,25.835 cw(c28.105,25.711) 28.144,25.832 ; 28.131,25.836 28.132,25.835 ; 28.144,25.832 29.511,25.386 ; 28.144,25.832 28.144,25.832 ; 28.445,2.36 ccw(c28.535,2.45) 28.457,2.35 ; 28.445,2.361 ccw(c28.535,2.45) 28.457,2.35 ; 28.445,2.361 28.445,2.36 ; 28.457,2.35 ccw(c28.558,2.428) 28.468,2.338 ; 28.457,2.35 ccw(c28.558,2.428) 28.468,2.338 ; 28.468,2.338 28.468,2.338 ; 29.263,-3.089 ccw(c29.228,-2.967) 29.272,-3.086 ; 29.262,-3.09 ccw(c29.228,-2.967) 29.263,-3.089 ; 29.263,-3.09 29.263,-3.089 ; 29.262,-3.09 29.263,-3.09 ; 29.263,-3.089 ccw(c29.228,-2.967) 29.272,-3.086 ; 29.272,-3.086 30.842,-2.502 ; 29.512,25.386 cw(c29.472,25.265) 29.516,25.384 ; 29.511,25.386 cw(c29.472,25.265) 29.516,25.384 ; 29.511,25.386 29.512,25.386 ; 29.516,25.384 29.977,25.216 ; 29.516,25.384 29.516,25.384 ; 29.977,25.216 cw(c29.934,25.097) 30.023,25.187 ; 29.977,25.216 cw(c29.934,25.097) 30.023,25.187 ; 29.977,25.216 29.977,25.216 ; 30.023,25.187 30.352,24.859 ; 30.352,24.859 cw(c30.262,24.769) 30.389,24.774 ; 30.352,24.859 cw(c30.262,24.769) 30.389,24.775 30.389,24.774 ; 30.389,24.774 30.424,24.01 ; 30.425,24.005 ccw(c30.298,24.004) 30.424,24.01 30.424,24.01 ; 30.425,24.005 ccw(c30.298,24.004) 30.424,24.01 ; 30.425,24.005 30.43,23.465 30.64,23.05 31.364,22.866 32.742,22.905 ; 30.842,-2.502 ccw(c30.797,-2.383) 30.854,-2.497 ; 30.842,-2.502 ccw(c30.797,-2.383) 30.854,-2.497 ; 30.854,-2.497 32.427,-1.717 ; 31.618,20.67 cw(c31.497,20.63) 31.624,20.63 ; 31.618,20.67 ccw(c31.497,20.71) 31.624,20.71 ; 31.618,20.67 ccw(c31.497,20.71) 31.624,20.71 ; 31.618,20.67 cw(c31.497,20.63) 31.624,20.63 ; 31.624,20.63 31.624,20.622 31.645,20.519 31.685,20.422 31.743,20.335 31.748,20.33 ; 31.624,20.71 31.624,20.727 31.645,20.83 31.685,20.927 31.743,21.015 31.754,21.025 ; 31.748,20.33 cw(c31.659,20.24) 31.775,20.291 ; 31.748,20.33 31.748,20.33 cw(c31.659,20.24) 31.775,20.291 ; 31.754,21.025 ccw(c31.665,21.116) 31.774,21.05 ; 31.754,21.025 31.755,21.026 ccw(c31.665,21.116) 31.774,21.05 ; 31.774,21.05 ccw(c31.708,21.159) 31.798,21.069 ; 31.774,21.05 ccw(c31.708,21.159) 31.798,21.069 ; 31.775,20.291 cw(c31.724,20.175) 31.814,20.264 ; 31.775,20.291 cw(c31.724,20.175) 31.814,20.264 ; 31.798,21.069 31.818,21.089 31.905,21.147 32.002,21.187 32.105,21.208 32.131,21.208 ; 31.798,21.069 31.798,21.069 ; 31.814,20.264 31.814,20.264 ; 31.814,20.264 31.818,20.26 31.905,20.202 32.002,20.162 32.105,20.141 32.109,20.141 ; 32.109,20.141 cw(c32.109,20.014) 32.15,20.134 ; 32.109,20.141 cw(c32.109,20.014) 32.15,20.134 ; 32.131,21.208 ccw(c32.131,21.335) 32.15,21.209 ; 32.131,21.208 ccw(c32.131,21.335) 32.15,21.209 ; 32.15,20.134 cw(c32.192,20.014) 32.192,20.141 ; 32.15,20.134 cw(c32.192,20.014) 32.192,20.141 ; 32.15,21.209 ccw(c32.17,21.335) 32.17,21.208 ; 32.15,21.209 ccw(c32.17,21.335) 32.17,21.208 ; 32.17,21.208 32.21,21.208 32.313,21.187 32.41,21.147 32.498,21.089 32.528,21.059 ; 32.192,20.141 32.21,20.141 32.313,20.162 32.41,20.202 32.498,20.26 32.512,20.274 ; 32.427,-1.717 ccw(c32.37,-1.603) 32.44,-1.709 ; 32.427,-1.717 ccw(c32.37,-1.603) 32.44,-1.709 ; 32.44,-1.709 33.865,-0.763 ; 32.512,20.275 cw(c32.602,20.185) 32.529,20.289 ; 32.512,20.274 cw(c32.602,20.185) 32.529,20.289 ; 32.512,20.274 32.512,20.275 ; 32.528,21.059 ccw(c32.618,21.148) 32.532,21.055 ; 32.528,21.059 32.528,21.058 ccw(c32.618,21.148) 32.532,21.055 ; 32.529,20.289 cw(c32.632,20.215) 32.543,20.305 ; 32.529,20.289 cw(c32.632,20.215) 32.542,20.305 ; 32.532,21.055 ccw(c32.626,21.141) 32.536,21.05 ; 32.532,21.055 ccw(c32.626,21.141) 32.536,21.051 ; 32.536,21.051 32.536,21.05 ; 32.536,21.05 32.572,21.015 32.63,20.927 32.671,20.83 32.691,20.727 32.691,20.675 ; 32.543,20.305 32.572,20.335 32.63,20.422 32.671,20.519 32.691,20.622 32.691,20.665 ; 32.542,20.305 32.543,20.305 ; 32.691,20.665 cw(c32.818,20.665) 32.691,20.67 ; 32.691,20.665 cw(c32.818,20.665) 32.691,20.67 ; 32.691,20.67 cw(c32.818,20.674) 32.691,20.674 ; 32.691,20.67 ccw(c32.818,20.665) 32.691,20.67 ; 32.691,20.67 cw(c32.818,20.674) 32.691,20.674 ; 32.691,20.67 cw(c32.818,20.675) 32.691,20.674 ; 32.691,20.67 ccw(c32.818,20.665) 32.691,20.67 ; 32.691,20.674 ccw(c32.818,20.674) 32.691,20.674 ; 32.691,20.675 ccw(c32.818,20.674) 32.691,20.674 ; 32.691,20.674 ccw(c32.818,20.675) 32.691,20.674 ; 32.691,20.675 ccw(c32.818,20.675) 32.691,20.674 ; 32.691,20.674 32.691,20.675 ; 32.691,20.674 32.691,20.675 ; 32.742,22.905 cw(c32.746,22.778) 32.744,22.905 ; 32.742,22.905 cw(c32.746,22.778) 32.744,22.905 ; 32.744,22.905 33.3,22.912 ; 33.3,22.912 cw(c33.301,22.785) 33.362,22.897 ; 33.3,22.912 cw(c33.301,22.785) 33.362,22.897 33.362,22.897 ; 33.362,22.897 33.819,22.649 ; 33.819,22.649 cw(c33.759,22.537) 33.884,22.559 ; 33.819,22.649 cw(c33.759,22.537) 33.884,22.559 ; 33.819,22.649 33.819,22.649 ; 33.865,-0.763 ccw(c33.794,-0.657) 33.885,-0.747 ; 33.865,-0.763 ccw(c33.794,-0.657) 33.884,-0.747 33.885,-0.747 ; 33.884,22.559 33.976,22.038 ; 33.885,-0.747 33.923,-0.709 ; 33.923,-0.708 ccw(c33.833,-0.618) 33.959,-0.639 ; 33.923,-0.709 ccw(c33.833,-0.618) 33.959,-0.639 ; 33.923,-0.709 33.923,-0.708 ; 33.959,-0.639 33.969,-0.576 ; 33.969,-0.576 ccw(c33.844,-0.555) 33.971,-0.555 ; 33.969,-0.576 ccw(c33.844,-0.555) 33.971,-0.555 ; 33.971,-0.555 33.971,1.55 33.971,18.973 ; 33.971,18.973 33.978,22.016 ; 33.971,18.973 33.971,18.973 ; 33.976,22.038 cw(c33.851,22.016) 33.978,22.016 ; 33.976,22.038 cw(c33.851,22.016) 33.978,22.016 ; 33.978,22.016 ccw(c33.851,22.016) 33.978,22.016 ; 33.978,22.016 ccw(c33.851,22.016) 33.978,22.016 ; 6.056,-0.62 6.056,-0.533 6.056,-0.447 6.09,-0.277 6.156,-0.118 6.252,0.026 6.375,0.148 6.518,0.245 6.678,0.311 6.848,0.344 7.021,0.344 7.19,0.311 7.35,0.245 7.494,0.148 7.616,0.026 7.712,-0.118 7.778,-0.277 7.812,-0.447 7.812,-0.533 7.812,-0.62 7.778,-0.789 7.712,-0.949 7.616,-1.093 7.494,-1.215 7.35,-1.311 7.19,-1.377 7.021,-1.411 6.848,-1.411 6.678,-1.377 6.518,-1.311 6.375,-1.215 6.252,-1.093 6.156,-0.949 6.09,-0.789 6.056,-0.62

## Other copper
Multi-Layer:
  pour cut-out: 26.023,-0.61 ccw(c26.949,-0.61) 26.949,-1.536 ccw(c26.949,-0.61) 27.876,-0.61 ccw(c26.949,-0.61) 26.949,0.317 ccw(c26.949,-0.61)

## Silkscreen, mask and mechanical layers (free items; w line width, h text height)
Top Overlay:
  circle w0.025: c28.089,1.963 r0.66
  circle w0.025: c5.991,2.268 r0.66
  circle w0.025: c32.158,20.675 r0.66
  circle w0.025: c1.981,20.676 r0.66
  circle w0.051: c6.934,-0.533 r1.005
  circle w0.051: c26.949,-0.61 r1.005
  pour cut-out: 27.428,1.963 ccw(c28.089,1.963) 28.089,1.302 ccw(c28.089,1.963) 28.749,1.963 ccw(c28.089,1.963) 28.089,2.623 ccw(c28.089,1.963)
  pour cut-out: 5.33,2.268 ccw(c5.991,2.268) 5.991,1.607 ccw(c5.991,2.268) 6.651,2.268 ccw(c5.991,2.268) 5.991,2.928 ccw(c5.991,2.268)
  pour cut-out: 1.321,20.676 ccw(c1.981,20.676) 1.981,20.015 ccw(c1.981,20.676) 2.642,20.676 ccw(c1.981,20.676) 1.981,21.336 ccw(c1.981,20.676)
  pour cut-out: 1.321,20.676 ccw(c1.981,20.676) 1.981,20.015 ccw(c1.981,20.676) 2.642,20.676 ccw(c1.981,20.676) 1.981,21.336 ccw(c1.981,20.676)
  pour cut-out: 1.321,20.676 ccw(c1.981,20.676) 1.981,20.015 ccw(c1.981,20.676) 2.642,20.676 ccw(c1.981,20.676) 1.981,21.336 ccw(c1.981,20.676)
  pour cut-out: 1.321,20.676 ccw(c1.981,20.676) 1.981,20.015 ccw(c1.981,20.676) 2.642,20.676 ccw(c1.981,20.676) 1.981,21.336 ccw(c1.981,20.676)
  pour cut-out: 25.945,-0.61 ccw(c26.949,-0.61) 26.949,-1.614 ccw(c26.949,-0.61) 27.954,-0.61 ccw(c26.949,-0.61) 26.949,0.395 ccw(c26.949,-0.61)
  text "N" at 5.294,22.63 h0.5
  text "P" at 3.796,22.604 h0.5
Mechanical 1:
  lines w0.013: -0.266,3.137 -0.266,6.605 0.039,7.448 0.06,7.863 0.05,11.905 0.05,14.959 0.014,16.029 -0.142,16.394 -0.142,19.88 -0.135,19.961 -0.078,20.064 0.071,20.287 0.202,20.914 0.188,22.555 0.439,23.125 0.946,23.221 2.746,23.2 3.41,23.204 3.936,23.543 3.996,24.039 3.996,24.595 4.01,24.783 4.145,25.258 4.548,25.57 5.034,25.757 5.899,26.023 11.647,26.907 16.517,27.127 19.892,27.016 21.154,26.905 23.563,26.7 28.105,25.711 29.472,25.265 29.934,25.097 30.262,24.769 30.298,24.004 30.303,23.434 30.553,22.941 31.35,22.739 32.746,22.778 33.301,22.785 33.759,22.537 33.752,22.541 33.851,22.016 33.844,18.973 33.844,1.55 33.844,-0.555 33.833,-0.618 33.794,-0.657 32.37,-1.603 30.797,-2.383 29.228,-2.967 27.75,-3.389 26.45,-3.669 25.416,-3.835 24.732,-3.917 24.488,-3.938 24.335,-3.942 21.614,-3.846 20.615,-3.63 20.346,-3.3 19.751,-3.031 16.477,-3.031 13.937,-3.031 13.332,-3.276 13.115,-3.531 12.78,-3.758 12.563,-3.796 9.623,-3.833 8.456,-3.694 8.272,-3.665 5.481,-3.109 2.792,-2.188 1.073,-1.27 0.411,-0.753 -0.082,-0.204 -0.117,0.136 -0.071,1.716 -0.121,2.499 -0.266,3.137 ; 1.311,20.67 1.507,20.194 1.98,19.997 2.453,20.194 2.65,20.67 2.453,21.146 1.98,21.343 1.507,21.146 1.311,20.67 ; 5.311,2.272 5.507,1.796 5.98,1.599 6.453,1.796 6.65,2.272 6.453,2.748 5.98,2.946 5.507,2.747 5.311,2.272 ; 5.934,-0.541 6.225,-1.241 6.926,-1.533 7.627,-1.241 7.918,-0.541 7.627,0.16 6.926,0.451 6.225,0.16 5.934,-0.541 ; 25.972,-0.615 26.263,-1.316 26.964,-1.607 27.664,-1.316 27.956,-0.615 27.664,0.086 26.964,0.377 26.263,0.086 25.972,-0.615 ; 27.106,1.957 27.297,1.466 27.757,1.263 28.377,1.263 28.839,1.466 29.029,1.957 28.838,2.448 28.377,2.652 27.757,2.652 27.296,2.448 27.106,1.957 ; 31.481,20.67 31.678,20.194 32.151,19.997 32.623,20.194 32.82,20.67 32.623,21.146 32.151,21.343 31.678,21.146 31.481,20.67

## Text inside footprints (layer, text, board x,y; h text height)
L5: Mechanical 46 "2" at 11.851,9.063 h0.4 r180; Mechanical 46 "1" at 9.832,9.08 h0.4 r180
L6: Mechanical 46 "1" at 7.796,5.55 h0.4; Mechanical 46 "2" at 5.776,5.567 h0.4
L11: Mechanical 46 "2" at 4.186,14.742 h0.4 r90; Mechanical 46 "1" at 4.203,16.762 h0.4 r90
L13: Mechanical 46 "2" at 4.043,21.275 h0.4 r270; Mechanical 46 "1" at 4.026,19.255 h0.4 r270
L15: Mechanical 46 "2" at 12.207,14.778 h0.4 r180; Mechanical 46 "1" at 10.188,14.795 h0.4 r180
L16: Mechanical 46 "1" at 1.977,5.677 h0.4 r180; Mechanical 46 "2" at 3.996,5.66 h0.4 r180